# Altium PCB 10515.0500_Display_System（6拼版）_V1.0_20200907.PcbDoc (part 8 of 13)
Units mm, origin at the board's own origin, x right, y up, seen from the top; angles counter-clockwise.
Board outline 157 x 228.4 mm, 4 copper layers (Top Layer, Mid-Layer 1, Mid-Layer 2, Bottom Layer); 516 components, 0 nets, 1971 pads, 894 vias.
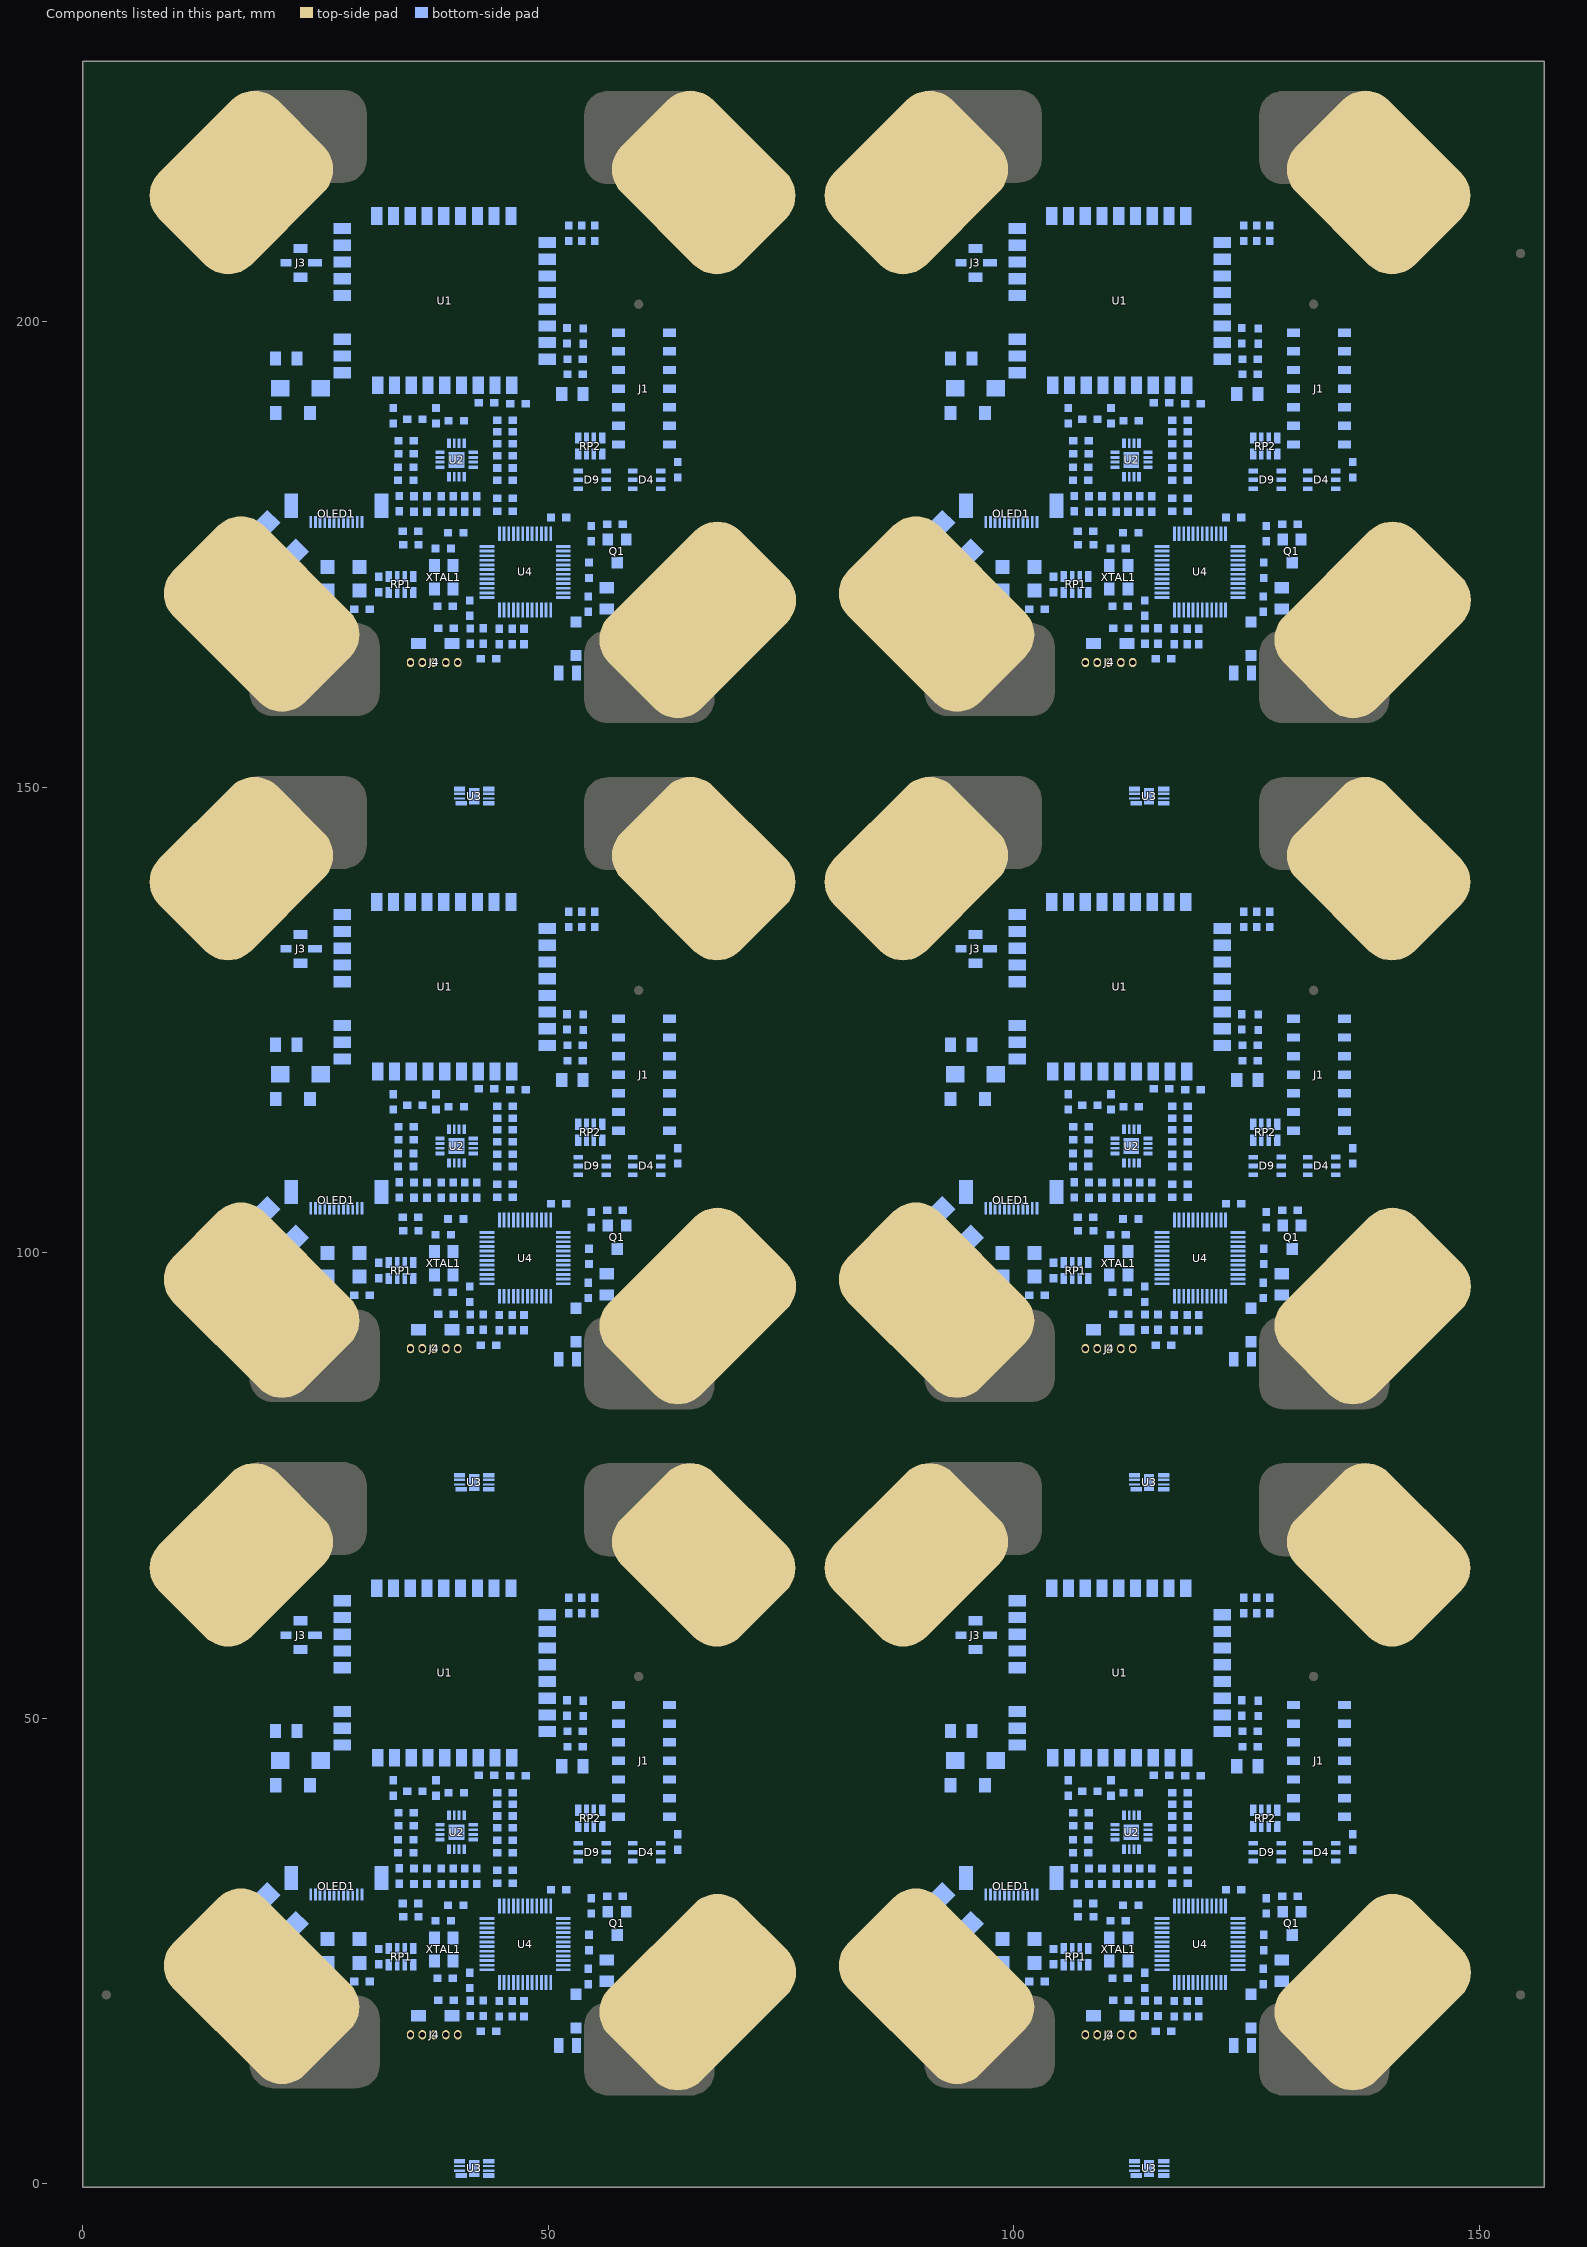
[diagram p10: the components of this part, seen from the top]

## Via types
v1: diameter 0.7, hole 0.4, Top Layer to Bottom Layer, tented both sides, 894 vias

## Nets (pads, with @x,y where several pads share a name; then routed paths per layer and width w, separated by ;. In a path a pad name is that pad's centre, name@x,y a point inside that pad or via, vN(x,y) a via of type N, cw(c..) or ccw(c..) an arc to the next point about the centre after c; other vN are vias at no path point) (continued)
copper on no net: (continued)
  Bottom Layer w0.25: 110.818,34.083 ccw(c110.338,34.563) 111.017,34.563 ccw(c111.697,34.563) 111.216,34.083 ; 110.818,107.783 ccw(c110.338,108.263) 111.017,108.263 ccw(c111.697,108.263) 111.216,107.783 ; 110.818,181.483 ccw(c110.338,181.963) 111.017,181.963 ccw(c111.697,181.963) 111.216,181.483 ; 111.017,33.846 111.017,34.798 111.856,35.637 111.856,35.941 ; 111.017,107.545 111.017,108.498 111.856,109.337 111.856,109.641 ; 111.017,181.245 111.017,182.198 111.856,183.037 111.856,183.341 ; 111.131,31.115 ccw(c111.131,32.525) 112.128,31.528 ccw(c111.744,31.912) 112.287,31.912 ccw(c112.83,31.912) v1@112.446,31.528 ; 111.131,104.815 ccw(c111.131,106.225) 112.128,105.228 ccw(c111.744,105.612) 112.287,105.612 ccw(c112.83,105.612) v1@112.446,105.228 ; 111.131,178.515 ccw(c111.131,179.925) 112.128,178.928 ccw(c111.744,179.312) 112.287,179.312 ccw(c112.83,179.312) v1@112.446,178.928 ; 111.144,32.194 v1@110.382,32.194 ; 111.144,105.894 v1@110.382,105.894 ; 111.144,179.594 v1@110.382,179.594 ; v1@111.366,8.604 cw(c110.815,8.053) 111.594,8.053 ; v1@111.366,82.304 cw(c110.815,81.753) 111.594,81.753 ; v1@111.366,156.004 cw(c110.815,155.453) 111.594,155.453 ; 111.525,17.377 112.182,18.034 112.351,18.202 ; 111.525,91.077 112.182,91.734 112.351,91.902 ; 111.525,164.777 112.182,165.434 112.351,165.602 ; 111.594,8.386 cw(c111.902,8.386) v1@111.684,8.604 ; v1@111.594,8.763 111.594,2.667 111.848,2.413 112.976,2.413 ; 111.594,82.086 cw(c111.902,82.086) v1@111.684,82.304 ; v1@111.594,82.463 111.594,76.367 111.848,76.113 112.976,76.113 ; 111.594,155.786 cw(c111.902,155.786) v1@111.684,156.004 ; v1@111.594,156.163 111.594,150.067 111.848,149.813 112.976,149.813 ; 111.704,29.972 111.906,29.972 113.049,28.829 113.049,27.432 114.008,26.473 115.924,26.473 ; 111.704,103.672 111.906,103.672 113.049,102.529 113.049,101.132 114.008,100.173 115.924,100.173 ; 111.704,177.372 111.906,177.372 113.049,176.229 113.049,174.832 114.008,173.873 115.924,173.873 ; 111.734,31.115 ccw(c111.734,31.922) v1@112.305,31.351 ; 111.734,104.815 ccw(c111.734,105.622) v1@112.305,105.051 ; 111.734,178.515 ccw(c111.734,179.322) v1@112.305,178.751 ; 111.792,29.641 cw(c111.792,28.565) 112.553,29.325 ; 111.792,103.341 cw(c111.792,102.265) 112.553,103.025 ; 111.792,177.041 cw(c111.792,175.965) 112.553,176.725 ; 111.805,41.987 112.414,41.377 112.414,39.56 ; 111.805,115.687 112.414,115.077 112.414,113.26 ; 111.805,189.387 112.414,188.777 112.414,186.96 ; 111.843,41.706 cw(c111.843,41.118) 112.258,41.534 ; 111.843,115.406 cw(c111.843,114.818) 112.258,115.234 ; 111.843,189.106 cw(c111.843,188.518) 112.258,188.934 ; 112.073,29.922 ccw(c112.356,29.922) 112.156,29.722 ; 112.073,103.622 ccw(c112.356,103.622) 112.156,103.422 ; 112.073,177.322 ccw(c112.356,177.322) 112.156,177.122 ; 112.088,31.957 cw(c111.608,31.477) 112.287,31.477 cw(c112.967,31.477) 112.486,31.957 ; 112.088,34.083 ccw(c111.301,34.87) 112.414,34.87 ; 112.088,105.657 cw(c111.608,105.177) 112.287,105.177 cw(c112.967,105.177) 112.486,105.657 ; 112.088,107.783 ccw(c111.301,108.57) 112.414,108.57 ; 112.088,179.357 cw(c111.608,178.877) 112.287,178.877 cw(c112.967,178.877) 112.486,179.357 ; 112.088,181.483 ccw(c111.301,182.27) 112.414,182.27 ; 112.124,41.987 ccw(c112.896,41.987) 112.35,41.442 ; 112.124,115.687 ccw(c112.896,115.687) 112.35,115.142 ; 112.124,189.387 ccw(c112.896,189.387) 112.35,188.842 ; v1@112.255,7.334 cw(c111.871,6.95) 112.414,6.95 cw(c112.957,6.95) v1@112.573,7.334 ; v1@112.255,81.034 cw(c111.871,80.65) 112.414,80.65 cw(c112.957,80.65) v1@112.573,81.034 ; v1@112.255,154.734 cw(c111.871,154.35) 112.414,154.35 cw(c112.957,154.35) v1@112.573,154.734 ; 112.262,22.048 112.287,22.073 ; 112.262,95.748 112.287,95.773 ; 112.262,169.448 112.287,169.473 ; 112.287,25.841 cw(c112.287,24.453) 113.269,25.434 ; 112.287,26.091 cw(c112.287,25.306) 112.842,25.861 ; 112.287,26.416 113.23,25.473 115.924,25.473 ; 112.287,99.541 cw(c112.287,98.153) 113.269,99.134 ; 112.287,99.791 cw(c112.287,99.006) 112.842,99.561 ; 112.287,100.116 113.23,99.173 115.924,99.173 ; 112.287,173.241 cw(c112.287,171.853) 113.269,172.834 ; 112.287,173.491 cw(c112.287,172.706) 112.842,173.261 ; 112.287,173.816 113.23,172.873 115.924,172.873 ; v1(112.414,7.493) 112.414,4.064 112.795,3.683 114.319,3.683 114.553,3.449 114.553,1.631 ; 112.414,35.941 112.414,33.972 112.541,33.846 ; v1(112.414,81.193) 112.414,77.764 112.795,77.383 114.319,77.383 114.553,77.149 114.553,75.331 ; 112.414,109.641 112.414,107.672 112.541,107.545 ; v1(112.414,154.893) 112.414,151.464 112.795,151.083 114.319,151.083 114.553,150.849 114.553,149.031 ; 112.414,183.341 112.414,181.372 112.541,181.245 ; 112.737,26.291 ccw(c113.522,26.291) 112.967,25.736 ; 112.737,99.991 ccw(c113.522,99.991) 112.967,99.436 ; 112.737,173.691 ccw(c113.522,173.691) 112.967,173.136 ; 112.795,16.002 113.176,16.383 115.399,16.383 ; 112.795,89.702 113.176,90.083 115.399,90.083 ; 112.795,163.402 113.176,163.783 115.399,163.783 ; 112.813,16.084 cw(c113.534,15.363) 113.534,16.383 ; 112.813,89.784 cw(c113.534,89.063) 113.534,90.083 ; 112.813,163.484 cw(c113.534,162.763) 113.534,163.783 ; 112.922,35.941 112.922,35.179 113.557,34.544 ; 112.922,38.036 112.922,39.56 112.922,41.454 113.456,41.987 ; 112.922,109.641 112.922,108.879 113.557,108.244 ; 112.922,111.736 112.922,113.26 112.922,115.154 113.456,115.687 ; 112.922,183.341 112.922,182.579 113.557,181.944 ; 112.922,185.436 112.922,186.96 112.922,188.854 113.456,189.387 ; 112.941,41.473 ccw(c112.469,41.945) 113.136,41.975 ; 112.941,115.173 ccw(c112.469,115.645) 113.136,115.675 ; 112.941,188.873 ccw(c112.469,189.345) 113.136,189.375 ; 112.976,1.397 114.319,1.397 114.553,1.631 ; 112.976,75.097 114.319,75.097 114.553,75.331 ; 112.976,148.797 114.319,148.797 114.553,149.031 ; 112.99,15.908 cw(c114.138,14.76) 114.138,16.383 ; 112.99,89.608 cw(c114.138,88.46) 114.138,90.083 ; 112.99,163.308 cw(c114.138,162.16) 114.138,163.783 ; 113.002,41.534 cw(c113.418,41.118) 113.418,41.706 ; 113.002,115.234 cw(c113.418,114.818) 113.418,115.406 ; 113.002,188.934 cw(c113.418,188.518) 113.418,189.106 ; 113.244,29.723 cw(c112.242,28.721) 113.659,28.721 ; 113.244,103.423 cw(c112.242,102.421) 113.659,102.421 ; 113.244,177.123 cw(c112.242,176.121) 113.659,176.121 ; 113.247,1.397 cw(c113.247,-0.025) 114.253,0.98 ; 113.247,75.097 cw(c113.247,73.675) 114.253,74.68 ; 113.247,148.797 cw(c113.247,147.375) 114.253,148.38 ; 113.362,34.087 ccw(c112.923,34.544) 113.557,34.544 ; 113.362,107.787 ccw(c112.923,108.244) 113.557,108.244 ; 113.362,181.487 ccw(c112.923,181.944) 113.557,181.944 ; 113.421,29.9 cw(c112.846,29.325) 113.659,29.325 ; 113.421,103.6 cw(c112.846,103.025) 113.659,103.025 ; 113.421,177.3 cw(c112.846,176.725) 113.659,176.725 ; 113.48,39.56 114.256,39.56 114.573,39.878 114.573,41.656 114.931,42.014 117.05,42.014 ; 113.48,113.26 114.256,113.26 114.573,113.578 114.573,115.356 114.931,115.714 117.05,115.714 ; 113.48,186.96 114.256,186.96 114.573,187.278 114.573,189.056 114.931,189.414 117.05,189.414 ; 113.557,32.194 114.827,32.194 114.827,31.115 v1(114.7,30.988) ; 113.557,33.846 113.557,34.544 ; 113.557,105.894 114.827,105.894 114.827,104.815 v1(114.7,104.688) ; 113.557,107.545 113.557,108.244 ; 113.557,179.594 114.827,179.594 114.827,178.515 v1(114.7,178.388) ; 113.557,181.245 113.557,181.944 ; 113.659,29.922 113.659,27.584 114.27,26.973 115.924,26.973 115.899,26.998 ; 113.659,103.622 113.659,101.284 114.27,100.673 115.924,100.673 115.899,100.698 ; 113.659,177.322 113.659,174.984 114.27,174.373 115.924,174.373 115.899,174.398 ; 113.752,34.087 cw(c114.191,34.544) 113.557,34.544 ; 113.752,107.787 cw(c114.191,108.244) 113.557,108.244 ; 113.752,181.487 cw(c114.191,181.944) 113.557,181.944 ; 113.756,31.996 cw(c114.237,31.515) 114.237,32.194 cw(c114.237,32.874) 113.756,32.393 ; 113.756,105.696 cw(c114.237,105.215) 114.237,105.894 cw(c114.237,106.574) 113.756,106.093 ; 113.756,179.396 cw(c114.237,178.915) 114.237,179.594 cw(c114.237,180.274) 113.756,179.793 ; 113.807,1.397 ccw(c113.807,2.027) 114.253,1.582 ; 113.807,75.097 ccw(c113.807,75.727) 114.253,75.282 ; 113.807,148.797 ccw(c113.807,149.427) 114.253,148.982 ; 113.851,1.397 cw(c113.851,0.578) 114.43,1.157 ; 113.851,75.097 cw(c113.851,74.278) 114.43,74.857 ; 113.851,148.797 cw(c113.851,147.978) 114.43,148.557 ; 113.866,22.907 ccw(c113.386,23.387) 114.065,23.387 ccw(c114.745,23.387) 114.264,22.907 ; 113.866,96.607 ccw(c113.386,97.087) 114.065,97.087 ccw(c114.745,97.087) 114.264,96.607 ; 113.866,170.307 ccw(c113.386,170.787) 114.065,170.787 ccw(c114.745,170.787) 114.264,170.307 ; v1@113.906,23.59 cw(c113.522,23.206) 114.065,23.206 cw(c114.608,23.206) v1@114.224,23.59 ; v1@113.906,97.29 cw(c113.522,96.906) 114.065,96.906 cw(c114.608,96.906) v1@114.224,97.29 ; v1@113.906,170.99 cw(c113.522,170.606) 114.065,170.606 cw(c114.608,170.606) v1@114.224,170.99 ; 114.041,19.685 114.065,19.71 114.115,19.66 ; 114.041,93.385 114.065,93.41 114.115,93.36 ; 114.041,167.085 114.065,167.11 114.115,167.06 ; 114.065,22.669 v1(114.065,23.749) ; 114.065,96.369 v1(114.065,97.449) ; 114.065,170.069 v1(114.065,171.149) ; 114.253,2.282 ccw(c113.527,3.007) 114.553,3.007 ccw(c115.579,3.007) 114.854,2.282 ; 114.253,75.982 ccw(c113.527,76.707) 114.553,76.707 ccw(c115.579,76.707) 114.854,75.982 ; 114.253,149.682 ccw(c113.527,150.407) 114.553,150.407 ccw(c115.579,150.407) 114.854,149.682 ; 114.446,37.52 115.519,37.52 116.166,38.168 116.166,38.169 116.224,38.227 117.05,38.227 ; 114.446,38.021 115.256,38.021 115.716,38.481 115.716,39.243 115.97,39.497 117.05,39.497 ; 114.446,38.57 114.79,38.57 115.081,38.862 115.081,40.513 115.335,40.767 117.05,40.767 ; 114.446,111.22 115.519,111.22 116.166,111.868 116.166,111.869 116.224,111.927 117.05,111.927 ; 114.446,111.721 115.256,111.721 115.716,112.181 115.716,112.943 115.97,113.197 117.05,113.197 ; 114.446,112.27 114.79,112.27 115.081,112.562 115.081,114.213 115.335,114.467 117.05,114.467 ; 114.446,184.92 115.519,184.92 116.166,185.568 116.166,185.569 116.224,185.627 117.05,185.627 ; 114.446,185.421 115.256,185.421 115.716,185.881 115.716,186.643 115.97,186.897 117.05,186.897 ; 114.446,185.97 114.79,185.97 115.081,186.262 115.081,187.913 115.335,188.167 117.05,188.167 ; v1@114.541,31.147 ccw(c113.85,31.838) 114.827,31.838 ; v1@114.541,104.847 ccw(c113.85,105.538) 114.827,105.538 ; v1@114.541,178.547 ccw(c113.85,179.238) 114.827,179.238 ; 114.573,1.651 114.553,1.631 ; 114.573,75.351 114.553,75.331 ; 114.573,149.051 114.553,149.031 ; 114.614,1.117 cw(c114.805,0.601) 115.194,0.99 ; 114.614,74.817 cw(c114.805,74.301) 115.194,74.69 ; 114.614,148.517 cw(c114.805,148.001) 115.194,148.39 ; 114.628,31.957 cw(c114.148,31.477) 114.827,31.477 cw(c115.507,31.477) 115.026,31.957 ; 114.628,31.996 ccw(c114.148,31.515) 114.148,32.194 ccw(c114.148,32.874) 114.628,32.393 ; 114.628,105.657 cw(c114.148,105.177) 114.827,105.177 cw(c115.507,105.177) 115.026,105.657 ; 114.628,105.696 ccw(c114.148,105.215) 114.148,105.894 ccw(c114.148,106.574) 114.628,106.093 ; 114.628,179.357 cw(c114.148,178.877) 114.827,178.877 cw(c115.507,178.877) 115.026,179.357 ; 114.628,179.396 ccw(c114.148,178.915) 114.148,179.594 ccw(c114.148,180.274) 114.628,179.793 ; 114.677,1.157 cw(c115.256,0.578) 115.256,1.397 ; 114.677,74.857 cw(c115.256,74.278) 115.256,75.097 ; 114.677,148.557 cw(c115.256,147.978) 115.256,148.797 ; 114.68,64.736 ccw(c114.494,65.095) 114.898,65.095 ; 114.68,138.436 ccw(c114.494,138.795) 114.898,138.795 ; 114.68,212.136 ccw(c114.494,212.495) 114.898,212.495 ; 114.746,38.646 ccw(c114.746,38.932) 114.949,38.729 ; 114.746,112.346 ccw(c114.746,112.632) 114.949,112.429 ; 114.746,186.046 ccw(c114.746,186.332) 114.949,186.129 ; 114.854,0.98 cw(c115.859,-0.025) 115.859,1.397 ; 114.854,1.582 ccw(c115.299,2.027) 115.299,1.397 ; 114.854,74.68 cw(c115.859,73.675) 115.859,75.097 ; 114.854,75.282 ccw(c115.299,75.727) 115.299,75.097 ; 114.854,148.38 cw(c115.859,147.375) 115.859,148.797 ; 114.854,148.982 ccw(c115.299,149.427) 115.299,148.797 ; 114.898,63.964 114.898,65.095 ; 114.898,137.664 114.898,138.795 ; 114.898,211.364 114.898,212.495 ; 114.998,43.696 114.998,43.892 ; 114.998,43.942 114.998,43.892 ; 114.998,117.396 114.998,117.592 ; 114.998,117.642 114.998,117.592 ; 114.998,191.096 114.998,191.292 ; 114.998,191.342 114.998,191.292 ; 115.035,16.184 ccw(c114.554,15.704) 114.554,16.383 ccw(c114.554,17.062) 115.035,16.582 ; 115.035,89.884 ccw(c114.554,89.404) 114.554,90.083 ccw(c114.554,90.762) 115.035,90.282 ; 115.035,163.584 ccw(c114.554,163.104) 114.554,163.783 ccw(c114.554,164.462) 115.035,163.982 ; 115.056,43.892 114.998,43.892 ; 115.056,117.592 114.998,117.592 ; 115.056,191.292 114.998,191.292 ; 115.117,64.736 cw(c115.303,65.095) 114.898,65.095 ; 115.117,138.436 cw(c115.303,138.795) 114.898,138.795 ; 115.117,212.136 cw(c115.303,212.495) 114.898,212.495 ; v1@115.303,20.479 ccw(c114.418,21.364) 115.67,21.364 ; v1@115.303,94.179 ccw(c114.418,95.064) 115.67,95.064 ; v1@115.303,167.879 ccw(c114.418,168.764) 115.67,168.764 ; 115.313,19.906 ccw(c114.453,20.766) 115.67,20.766 ; 115.313,93.606 ccw(c114.453,94.466) 115.67,94.466 ; 115.313,167.306 ccw(c114.453,168.166) 115.67,168.166 ; v1@115.441,20.096 cw(c115.418,19.845) 115.67,19.845 ; v1@115.441,93.796 cw(c115.418,93.545) 115.67,93.545 ; v1@115.441,167.496 cw(c115.418,167.245) 115.67,167.245 ; v1@115.48,20.302 ccw(c115.022,20.76) 115.67,20.76 ; v1@115.48,94.002 ccw(c115.022,94.46) 115.67,94.46 ; v1@115.48,167.702 ccw(c115.022,168.16) 115.67,168.16 ; 115.49,19.729 ccw(c115.057,20.163) v1@115.67,20.163 ; 115.49,93.429 ccw(c115.057,93.863) v1@115.67,93.863 ; 115.49,167.129 ccw(c115.057,167.563) v1@115.67,167.563 ; 115.67,19.893 115.67,21.623 ; 115.67,22.973 115.67,21.623 ; 115.67,93.593 115.67,95.323 ; 115.67,96.673 115.67,95.323 ; 115.67,167.293 115.67,169.023 ; 115.67,170.373 115.67,169.023 ; v1@115.687,28.921 cw(c115.333,28.554) 115.843,28.554 ; v1@115.687,102.621 cw(c115.333,102.254) 115.843,102.254 ; v1@115.687,176.321 cw(c115.333,175.954) 115.843,175.954 ; 115.817,0.801 ccw(c115.603,0.587) 115.603,0.889 ccw(c115.603,1.191) 115.817,0.977 ; 115.817,74.501 ccw(c115.603,74.287) 115.603,74.589 ccw(c115.603,74.891) 115.817,74.677 ; 115.817,148.201 ccw(c115.603,147.987) 115.603,148.289 ccw(c115.603,148.591) 115.817,148.377 ; 115.843,28.728 ccw(c116.178,28.728) 115.941,28.491 ; v1(115.843,29.083) 115.843,28.554 ; 115.843,102.428 ccw(c116.178,102.428) 115.941,102.191 ; v1(115.843,102.783) 115.843,102.254 ; 115.843,176.128 ccw(c116.178,176.128) 115.941,175.891 ; v1(115.843,176.483) 115.843,175.954 ; 115.924,23.473 116.965,23.473 v1(117.494,24.003) ; 115.924,25.973 v1(117.433,25.973) ; 115.924,27.473 114.659,27.473 114.216,27.916 114.216,29.363 115.97,31.116 115.97,32.575 117.05,33.655 ; 115.924,27.973 115.899,27.998 114.989,27.998 114.666,28.321 114.666,29.176 116.605,31.115 116.605,31.813 117.05,32.258 ; 115.924,28.473 115.843,28.554 ; 115.924,97.173 116.965,97.173 v1(117.494,97.703) ; 115.924,99.673 v1(117.433,99.673) ; 115.924,101.173 114.659,101.173 114.216,101.616 114.216,103.063 115.97,104.816 115.97,106.275 117.05,107.355 ; 115.924,101.673 115.899,101.698 114.989,101.698 114.666,102.021 114.666,102.876 116.605,104.815 116.605,105.513 117.05,105.958 ; 115.924,102.173 115.843,102.254 ; 115.924,170.873 116.965,170.873 v1(117.494,171.403) ; 115.924,173.373 v1(117.433,173.373) ; 115.924,174.873 114.659,174.873 114.216,175.316 114.216,176.763 115.97,178.516 115.97,179.975 117.05,181.055 ; 115.924,175.373 115.899,175.398 114.989,175.398 114.666,175.721 114.666,176.576 116.605,178.515 116.605,179.213 117.05,179.658 ; 115.924,175.873 115.843,175.954 ; v1@115.999,28.921 ccw(c116.353,28.554) 115.843,28.554 ; v1@115.999,102.621 ccw(c116.353,102.254) 115.843,102.254 ; v1@115.999,176.321 ccw(c116.353,175.954) 115.843,175.954 ; 116.13,0.889 115.295,0.889 114.787,1.397 ; 116.13,1.397 114.787,1.397 ; 116.13,74.589 115.295,74.589 114.787,75.097 ; 116.13,75.097 114.787,75.097 ; 116.13,148.289 115.295,148.289 114.787,148.797 ; 116.13,148.797 114.787,148.797 ; 116.504,33.11 ccw(c115.959,33.655) 116.73,33.655 ; 116.504,106.81 ccw(c115.959,107.355) 116.73,107.355 ; 116.504,180.51 ccw(c115.959,181.055) 116.73,181.055 ; 116.596,33.202 cw(c117.012,32.786) 117.012,33.374 ; 116.596,106.902 cw(c117.012,106.486) 117.012,107.074 ; 116.596,180.602 cw(c117.012,180.186) 117.012,180.774 ; 116.605,31.045 cw(c117.737,31.045) 117.156,32.017 ; 116.605,31.486 cw(c117.474,31.486) 117.028,32.231 ; 116.605,31.927 cw(c117.21,31.927) 116.899,32.446 ; 116.605,104.745 cw(c117.737,104.745) 117.156,105.717 ; 116.605,105.186 cw(c117.474,105.186) 117.028,105.931 ; 116.605,105.627 cw(c117.21,105.627) 116.899,106.146 ; 116.605,178.445 cw(c117.737,178.445) 117.156,179.417 ; 116.605,178.886 cw(c117.474,178.886) 117.028,179.631 ; 116.605,179.327 cw(c117.21,179.327) 116.899,179.846 ; 116.677,64.302 cw(c117.23,64.619) 116.779,65.07 ; 116.677,138.002 cw(c117.23,138.319) 116.779,138.77 ; 116.677,211.702 cw(c117.23,212.019) 116.779,212.47 ; 116.698,63.964 116.698,64.99 117.24,65.532 ; 116.698,137.664 116.698,138.69 117.24,139.232 ; 116.698,211.364 116.698,212.39 117.24,212.932 ; v1@116.754,29.823 117.274,29.823 cw(c117.274,30.383) v1@116.797,30.09 ; v1@116.754,103.523 117.274,103.523 cw(c117.274,104.083) v1@116.797,103.79 ; v1@116.754,177.223 117.274,177.223 cw(c117.274,177.783) v1@116.797,177.49 ; 116.784,43.815 116.707,43.892 116.798,43.892 116.798,43.729 ; 116.784,117.515 116.707,117.592 116.798,117.592 116.798,117.429 ; 116.784,191.215 116.707,191.292 116.798,191.292 116.798,191.129 ; 116.813,38.028 ccw(c116.332,37.548) 116.332,38.227 ccw(c116.332,38.906) 116.813,38.426 ; 116.813,39.298 ccw(c116.332,38.818) 116.332,39.497 ccw(c116.332,40.176) 116.813,39.696 ; 116.813,40.568 ccw(c116.332,40.088) 116.332,40.767 ccw(c116.332,41.446) 116.813,40.966 ; 116.813,41.815 ccw(c116.332,41.335) 116.332,42.014 ccw(c116.332,42.693) 116.813,42.213 ; 116.813,111.728 ccw(c116.332,111.248) 116.332,111.927 ccw(c116.332,112.606) 116.813,112.126 ; 116.813,112.998 ccw(c116.332,112.518) 116.332,113.197 ccw(c116.332,113.876) 116.813,113.396 ; 116.813,114.268 ccw(c116.332,113.788) 116.332,114.467 ccw(c116.332,115.146) 116.813,114.666 ; 116.813,115.515 ccw(c116.332,115.035) 116.332,115.714 ccw(c116.332,116.393) 116.813,115.913 ; 116.813,185.428 ccw(c116.332,184.948) 116.332,185.627 ccw(c116.332,186.306) 116.813,185.826 ; 116.813,186.698 ccw(c116.332,186.218) 116.332,186.897 ccw(c116.332,187.576) 116.813,187.096 ; 116.813,187.968 ccw(c116.332,187.488) 116.332,188.167 ccw(c116.332,188.846) 116.813,188.366 ; 116.813,189.215 ccw(c116.332,188.735) 116.332,189.414 ccw(c116.332,190.093) 116.813,189.613 ; 116.893,64.426 cw(c117.523,64.788) 117.009,65.301 ; 116.893,138.126 cw(c117.523,138.488) 117.009,139.001 ; 116.893,211.826 cw(c117.523,212.188) 117.009,212.701 ; 116.923,16.383 117.05,16.256 v1(118.637,16.256) ; 116.923,90.083 117.05,89.956 v1(118.637,89.956) ; 116.923,163.783 117.05,163.656 v1(118.637,163.656) ; 117.11,64.551 cw(c117.816,64.956) 117.24,65.532 ; 117.11,138.251 cw(c117.816,138.656) 117.24,139.232 ; 117.11,211.951 cw(c117.816,212.356) 117.24,212.932 ; 117.16,16.582 ccw(c117.947,17.369) 117.947,16.256 ; v1@117.16,19.314 cw(c117.076,19.035) v1@117.367,19.035 ; 117.16,90.282 ccw(c117.947,91.069) 117.947,89.956 ; v1@117.16,93.014 cw(c117.076,92.735) v1@117.367,92.735 ; 117.16,163.982 ccw(c117.947,164.769) 117.947,163.656 ; v1@117.16,166.714 cw(c117.076,166.435) v1@117.367,166.435 ; v1@117.208,19.209 ccw(c116.824,19.593) 117.367,19.593 ccw(c117.91,19.593) v1@117.526,19.209 ; v1@117.208,92.909 ccw(c116.824,93.293) 117.367,93.293 ccw(c117.91,93.293) v1@117.526,92.909 ; v1@117.208,166.609 ccw(c116.824,166.993) 117.367,166.993 ccw(c117.91,166.993) v1@117.526,166.609 ; v1@117.269,24.003 cw(c116.726,24.003) 117.11,23.619 cw(c117.494,23.235) v1@117.494,23.778 ; v1@117.269,97.703 cw(c116.726,97.703) 117.11,97.319 cw(c117.494,96.935) v1@117.494,97.478 ; v1@117.269,171.403 cw(c116.726,171.403) 117.11,171.019 cw(c117.494,170.635) v1@117.494,171.178 ; 117.274,21.623 115.67,21.623 ; v1@117.274,25.814 ccw(c116.89,25.43) 116.89,25.973 